# KiCad board NCU.kicad_pcb
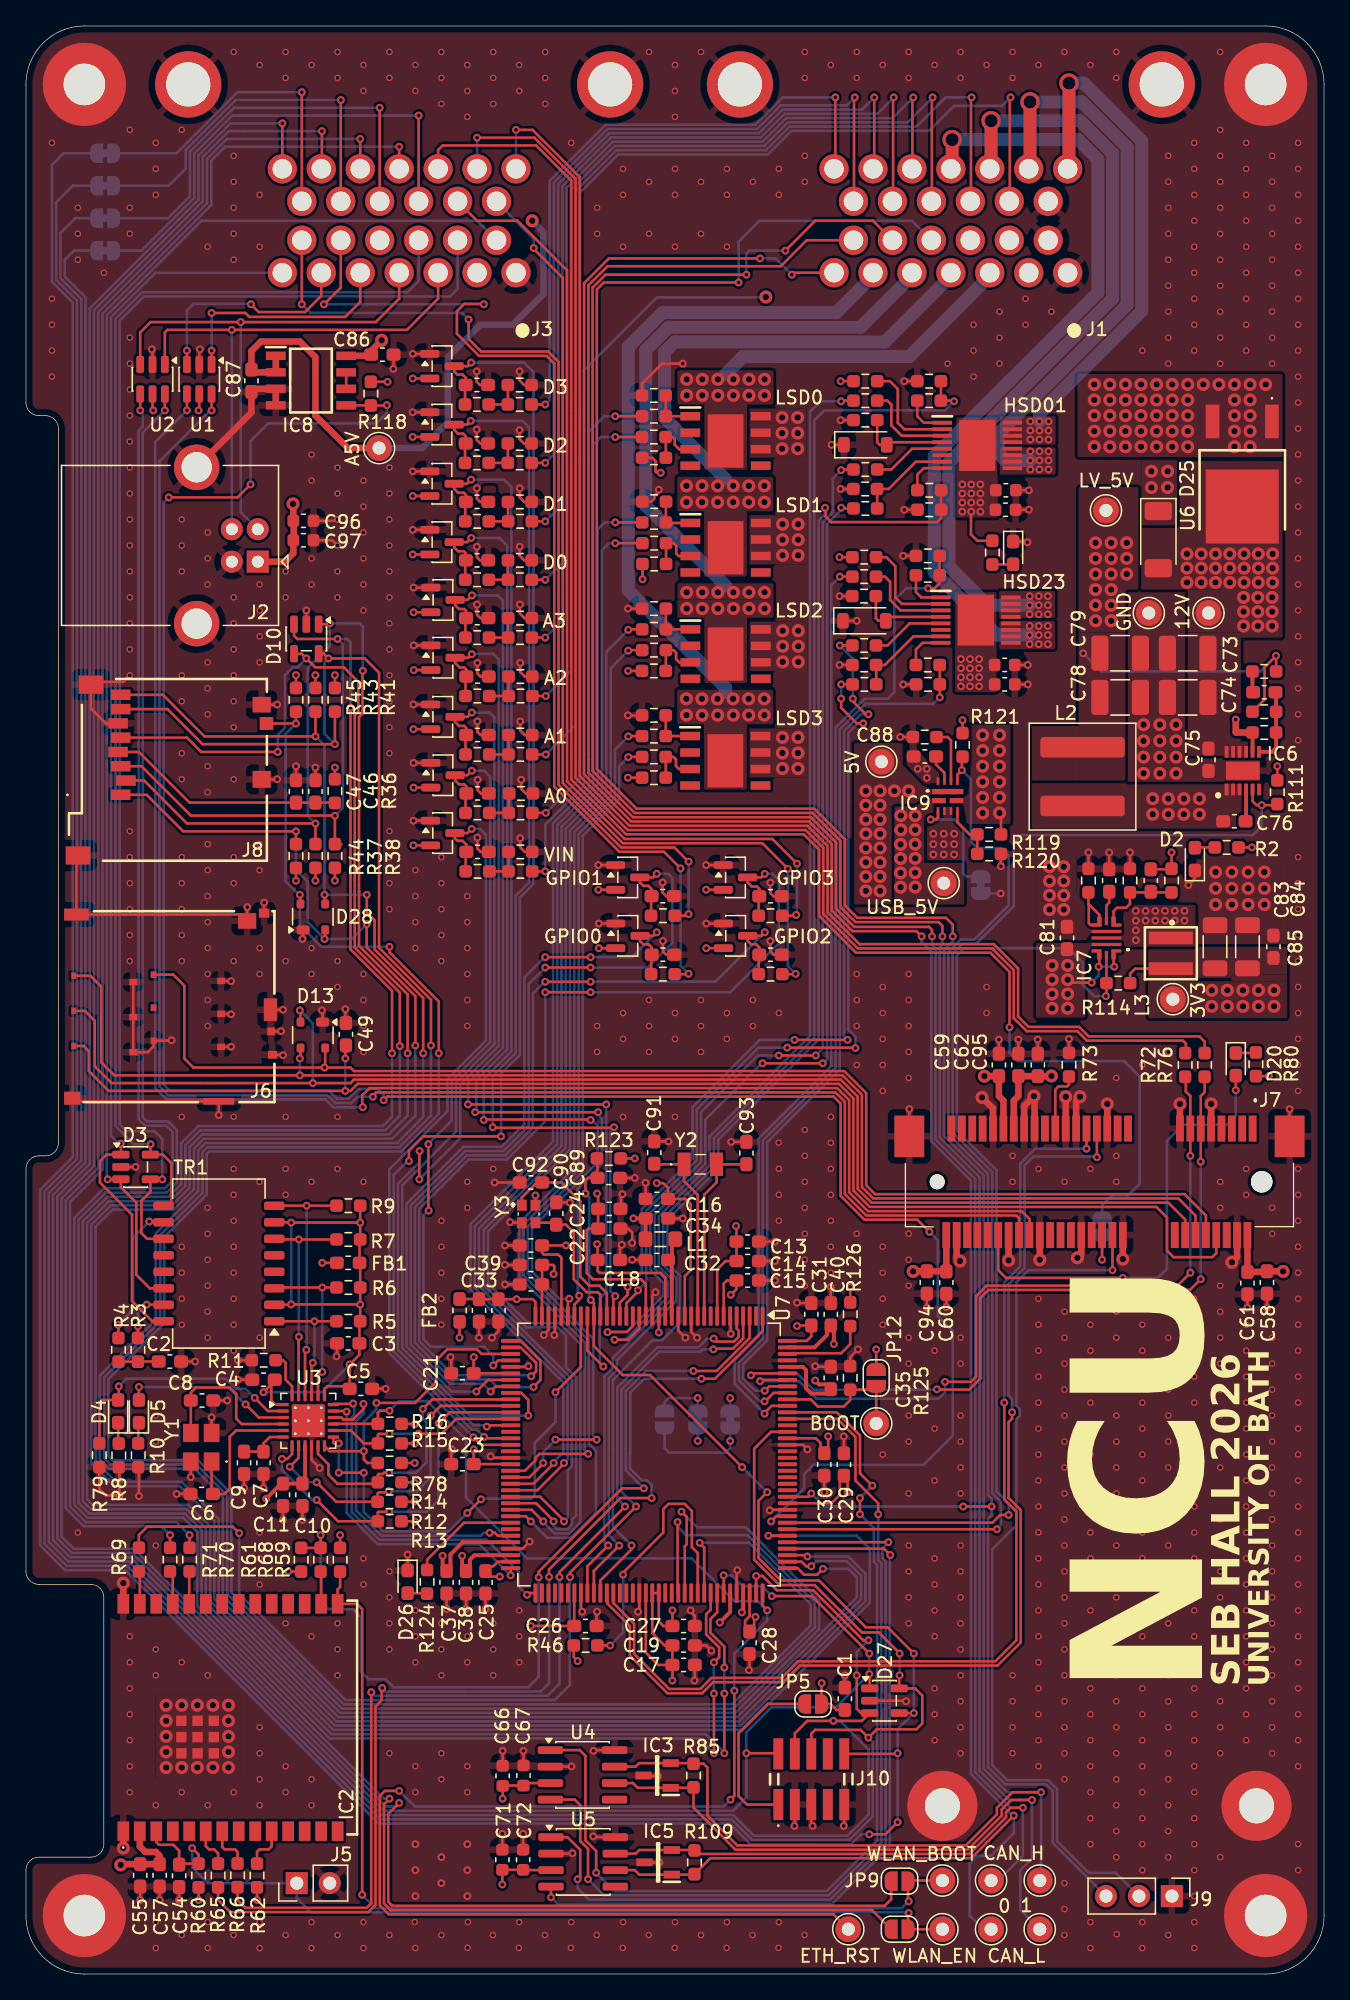
[diagram p0: board, top side]
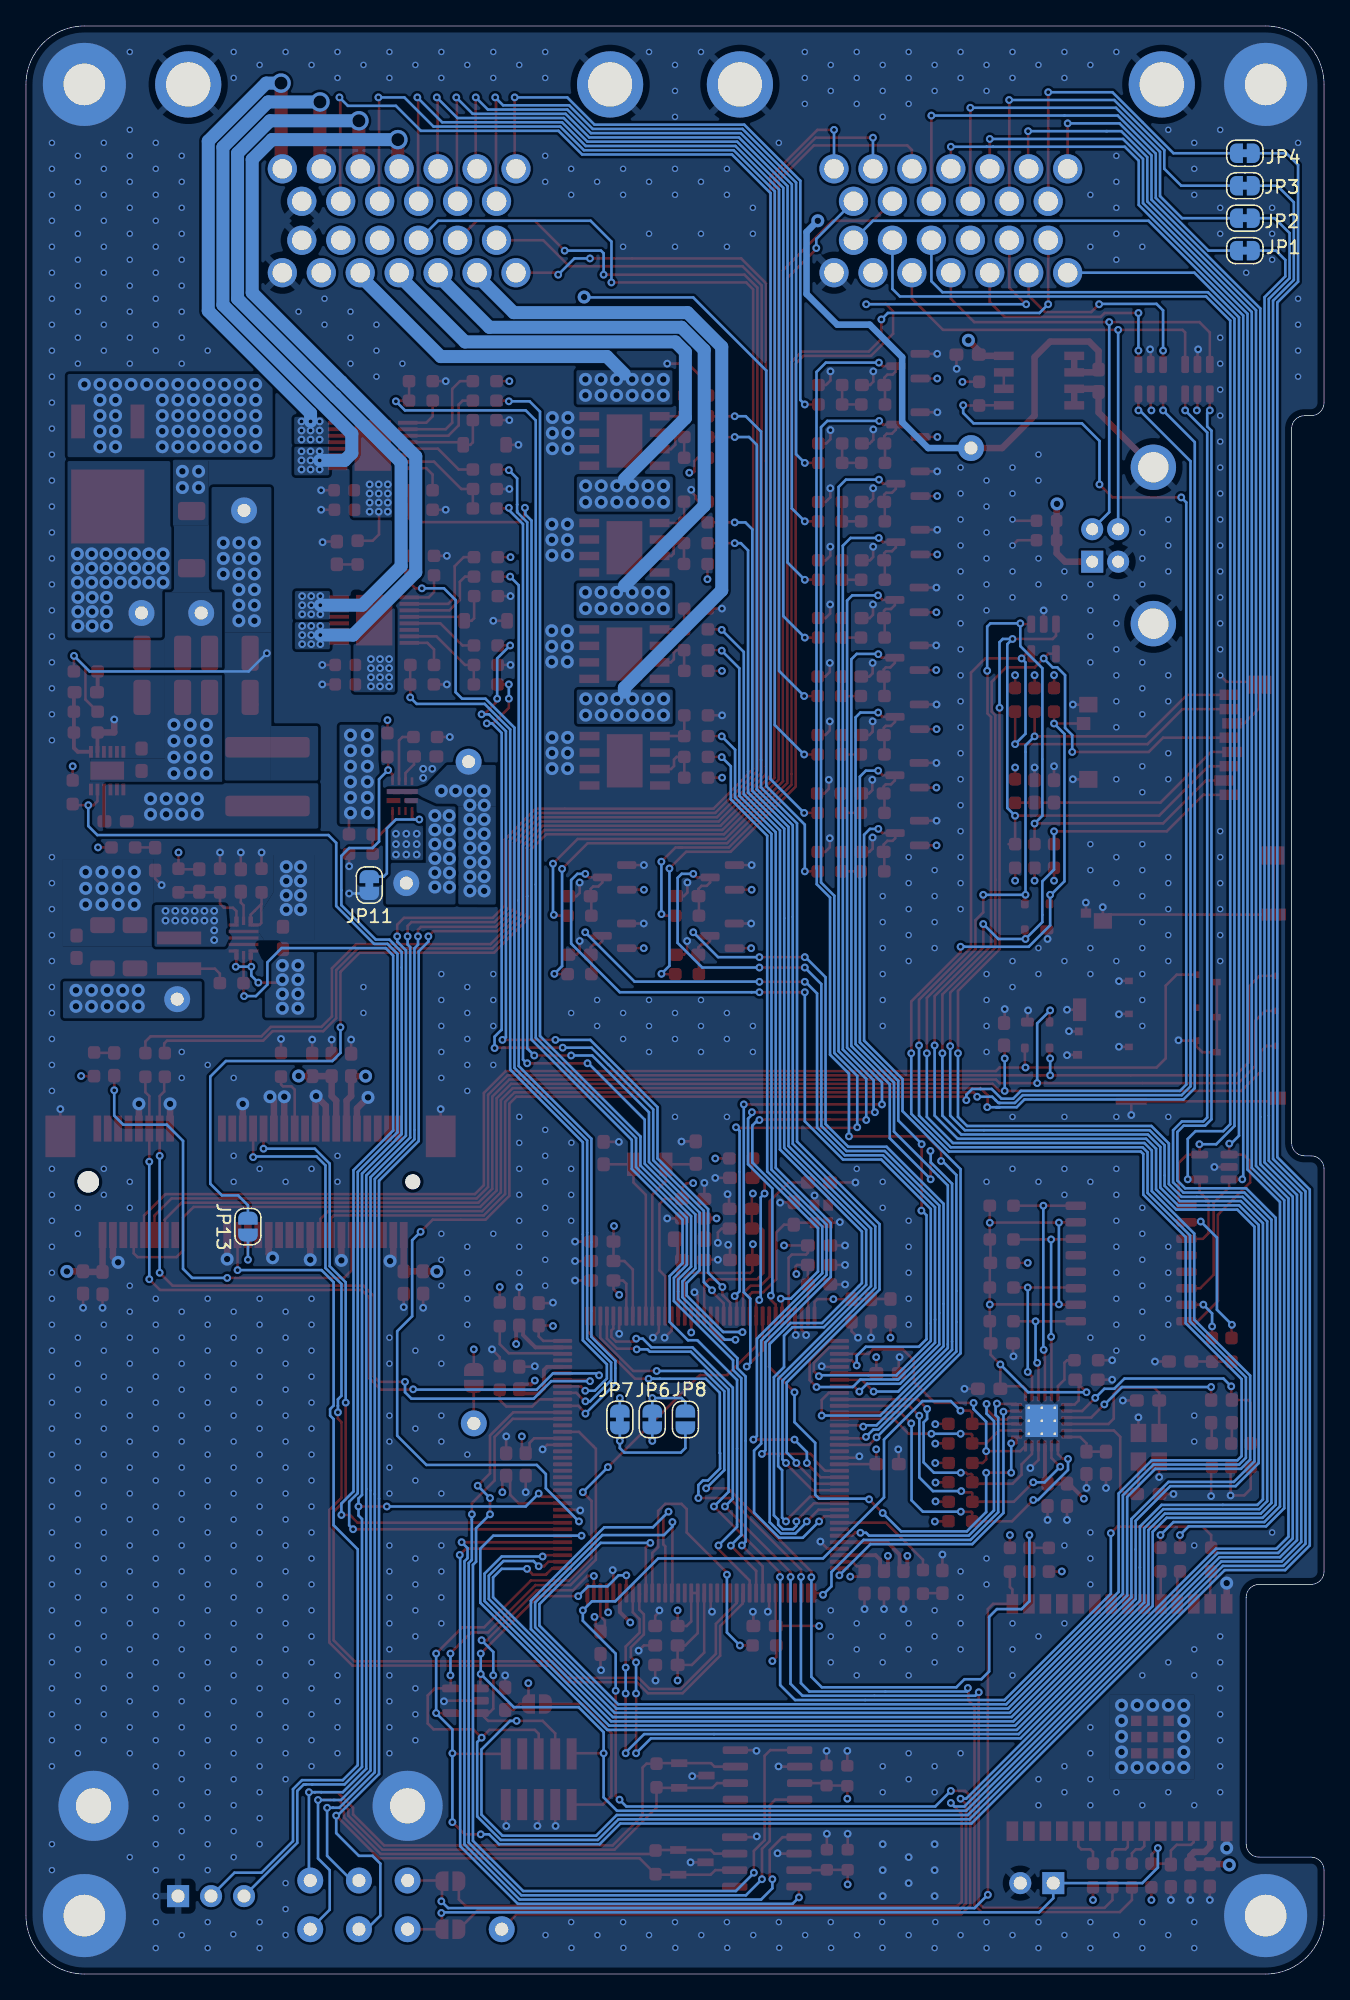
[diagram p1: board, bottom side, seen from below]

Outline 100 x 150 mm; copper layers: Top, In1.Cu, In2.Cu, Bottom. Coordinates in mm from the lower left corner of the outline.
Outline path: 0,121 0,145.5 arc(1.32,148.68) 4.5,150 95.5,150 arc(98.68,148.68) 100,145.5 100,4.5 arc(98.68,1.32) 95.5,0 4.5,0 arc(1.32,1.32) 0,4.5 0,8 arc(0.29,8.71) 1,9 5,9 arc(5.71,9.29) 6,10 6,29 arc(5.71,29.71) 5,30 1,30 arc(0.29,30.29) 0,31 0,62 arc(0.29,62.71) 1,63 1.49,63 ; 0,120.99 arc(0.29,120.29) 1,119.99 1.5,119.99 arc(2.2,119.7) 2.5,119 2.5,64 arc(2.21,63.29) 1.5,63
Stack: Top 0.035mm / dielectric 0.1mm FR4 er 4.5 / In1.Cu 0.035mm / dielectric 1.24mm FR4 er 4.5 / In2.Cu 0.035mm / dielectric 0.1mm FR4 er 4.5 / Bottom 0.035mm

## Placement (name value [footprint] x y rotation side)
C1  100nF  [C_0603_1608Metric_Pad1.08x0.95mm_HandSolder]  63.08 21.19 90 top
C2  1nF  [C_0603_1608Metric_Pad1.08x0.95mm_HandSolder]  11.09 47.16 0 top
C3  100nF  [C_0603_1608Metric_Pad1.08x0.95mm_HandSolder]  24.83 48.56 180 top
C4  100nF  [C_0603_1608Metric_Pad1.08x0.95mm_HandSolder]  18.3 45.76 180 top
C5  100nF  [C_0603_1608Metric_Pad1.08x0.95mm_HandSolder]  25.8 45.06 0 top
C6  8pF  [C_0603_1608Metric_Pad1.08x0.95mm_HandSolder]  13.54 36.96 180 top
C7  470pF  [C_0603_1608Metric_Pad1.08x0.95mm_HandSolder]  18.3 39.36 270 top
C8  8pF  [C_0603_1608Metric_Pad1.08x0.95mm_HandSolder]  13.56 44.16 0 top
C9  1uF  [C_0603_1608Metric_Pad1.08x0.95mm_HandSolder]  16.8 39.36 270 top
C10  100nF  [C_0603_1608Metric_Pad1.08x0.95mm_HandSolder]  21.3 36.9 270 top
C11  1u  [C_0603_1608Metric_Pad1.08x0.95mm_HandSolder]  19.8 36.9 270 top
C12  100nF  [C_0603_1608Metric_Pad1.08x0.95mm_HandSolder]  34.78 95.41 0 top
C13  4.7uF  [C_0603_1608Metric_Pad1.08x0.95mm_HandSolder]  55.6 56.4 0 top
C14  100nF  [C_0603_1608Metric_Pad1.08x0.95mm_HandSolder]  55.6 54.9 0 top
C15  100nF  [C_0603_1608Metric_Pad1.08x0.95mm_HandSolder]  55.6 53.4 0 top
C16  100nF  [C_0603_1608Metric_Pad1.08x0.95mm_HandSolder]  48.6 59.68 180 top
C17  1uF  [C_0603_1608Metric_Pad1.08x0.95mm_HandSolder]  50.66 23.8 0 top
C18  100nF  [C_0603_1608Metric_Pad1.08x0.95mm_HandSolder]  44.9 54.98 0 top
C19  100nF  [C_0603_1608Metric_Pad1.08x0.95mm_HandSolder]  50.66 25.3 0 top
C20  100nF  [C_0603_1608Metric_Pad1.08x0.95mm_HandSolder]  38.9 56.1 180 top
C21  100nF  [C_0603_1608Metric_Pad1.08x0.95mm_HandSolder]  33.62 46.26 180 top
C22  10uF  [C_0603_1608Metric_Pad1.08x0.95mm_HandSolder]  44.94 57.4 0 top
C23  100nF  [C_0603_1608Metric_Pad1.08x0.95mm_HandSolder]  33.62 39.26 180 top
C24  10uF  [C_0603_1608Metric_Pad1.08x0.95mm_HandSolder]  44.94 58.92 0 top
C25  100nF  [C_0603_1608Metric_Pad1.08x0.95mm_HandSolder]  35.4 30.16 270 top
C26  100nF  [C_0603_1608Metric_Pad1.08x0.95mm_HandSolder]  43.1 26.8 0 top
C27  100nF  [C_0603_1608Metric_Pad1.08x0.95mm_HandSolder]  50.66 26.8 0 top
C28  100nF  [C_0603_1608Metric_Pad1.08x0.95mm_HandSolder]  55.74 25.5 270 top
C29  100nF  [C_0603_1608Metric_Pad1.08x0.95mm_HandSolder]  63.01 39.23 90 top
C30  100nF  [C_0603_1608Metric_Pad1.08x0.95mm_HandSolder]  61.5 39.24 270 top
C31  100nF  [C_0603_1608Metric_Pad1.08x0.95mm_HandSolder]  60.5 50.8 90 top
C32  220pF  [C_0603_1608Metric_Pad1.08x0.95mm_HandSolder]  48.6 54.98 180 top
C33  1uF  [C_0603_1608Metric_Pad1.08x0.95mm_HandSolder]  34.9 51.1 270 top
C34  10uF  [C_0603_1608Metric_Pad1.08x0.95mm_HandSolder]  48.61 58.18 0 top
C35  2.2uF  [C_0603_1608Metric_Pad1.08x0.95mm_HandSolder]  62 45.9 90 top
C36  100nF  [C_0603_1608Metric_Pad1.08x0.95mm_HandSolder]  36.4 51.1 270 top
C37  2.2uF  [C_0603_1608Metric_Pad1.08x0.95mm_HandSolder]  32.4 30.16 270 top
C38  100nF  [C_0603_1608Metric_Pad1.08x0.95mm_HandSolder]  33.9 30.16 270 top
C39  1uF  [C_0603_1608Metric_Pad1.08x0.95mm_HandSolder]  38.9 54.6 180 top
C40  100nF  [C_0603_1608Metric_Pad1.08x0.95mm_HandSolder]  62 50.8 90 top
C41  100nF  [C_0603_1608Metric_Pad1.08x0.95mm_HandSolder]  38.9 53.1 180 top
C42  10u  [C_0603_1608Metric]  75.4 99.3 0 top
C43  100n  [C_0603_1608Metric]  75.4 100.8 0 top
C44  100nF  [C_0603_1608Metric_Pad1.08x0.95mm_HandSolder]  49.06 83 0 top
C45  100nF  [C_0603_1608Metric_Pad1.08x0.95mm_HandSolder]  57.36 78.49 0 top
C46  10uF  [C_0603_1608Metric_Pad1.08x0.95mm_HandSolder]  22.3 91.06 90 top
C47  100nF  [C_0603_1608Metric_Pad1.08x0.95mm_HandSolder]  20.8 91.06 90 top
C48  100nF  [C_0603_1608Metric_Pad1.08x0.95mm_HandSolder]  34.79 99.91 0 top
C49  100n  [C_0603_1608Metric_Pad1.08x0.95mm_HandSolder]  24.65 72.36 90 top
C50  100nF  [C_0603_1608Metric_Pad1.08x0.95mm_HandSolder]  34.79 90.91 0 top
C51  100nF  [C_0603_1608Metric_Pad1.08x0.95mm_HandSolder]  34.76 104.41 0 top
C52  100nF  [C_0603_1608Metric_Pad1.08x0.95mm_HandSolder]  34.75 113.36 0 top
C53  100nF  [C_0603_1608Metric_Pad1.08x0.95mm_HandSolder]  34.74 117.86 0 top
C54  1u  [C_0603_1608Metric_Pad1.08x0.95mm_HandSolder]  11.8 7.56 270 top
C55  47uF  [C_0603_1608Metric_Pad1.08x0.95mm_HandSolder]  8.8 7.6 270 top
C56  100nF  [C_0603_1608Metric_Pad1.08x0.95mm_HandSolder]  34.75 108.86 0 top
C57  100n  [C_0603_1608Metric_Pad1.08x0.95mm_HandSolder]  10.3 7.6 270 top
C58  47uF  [C_0603_1608Metric_Pad1.08x0.95mm_HandSolder]  95.6 53.25 270 top
C59  100nF  [C_0603_1608Metric_Pad1.08x0.95mm_HandSolder]  74.95 70 90 top
C60  100nF  [C_0603_1608Metric_Pad1.08x0.95mm_HandSolder]  70.9 53.24 270 top
C61  100nF  [C_0603_1608Metric_Pad1.08x0.95mm_HandSolder]  94.1 53.2 270 top
C62  100nF  [C_0603_1608Metric_Pad1.08x0.95mm_HandSolder]  76.45 70 90 top
C63  100nF  [C_0603_1608Metric_Pad1.08x0.95mm_HandSolder]  34.74 122.36 0 top
C64  100nF  [C_0603_1608Metric_Pad1.08x0.95mm_HandSolder]  34.79 86.41 0 top
C65  100nF  [C_0603_1608Metric_Pad1.08x0.95mm_HandSolder]  57.36 82.99 0 top
C66  1u  [C_0603_1608Metric]  36.72 15.26 90 top
C67  100n  [C_0603_1608Metric]  38.33 15.28 90 top
C68  10u  [C_0603_1608Metric]  75.46 112.75 0 top
C69  100n  [C_0603_1608Metric]  75.49 114.25 0 top
C70  100nF  [C_0603_1608Metric_Pad1.08x0.95mm_HandSolder]  49.07 78.49 0 top
C71  1u  [C_0603_1608Metric]  36.7 8.8 90 top
C72  100n  [C_0603_1608Metric]  38.3 8.8 90 top
C73  4.7uF  [C_1210_3225Metric_Pad1.33x2.70mm_HandSolder]  89.49 101.7 180 top
C74  4.7uF  [C_1210_3225Metric_Pad1.33x2.70mm_HandSolder]  89.49 98.3 180 top
C75  0.1uF  [C_0603_1608Metric_Pad1.08x0.95mm_HandSolder]  91.09 93.5 270 top
C76  0.1uF  [C_0603_1608Metric_Pad1.08x0.95mm_HandSolder]  93.09 88.76 0 top
C77  33pF  [C_0603_1608Metric_Pad1.08x0.95mm_HandSolder]  95.39 98.7 0 top
C78  47uF  [C_1210_3225Metric_Pad1.33x2.70mm_HandSolder]  84.29 98.3 0 top
C79  47uF  [C_1210_3225Metric_Pad1.33x2.70mm_HandSolder]  84.29 101.7 0 top
C80  4.7nF  [C_0603_1608Metric_Pad1.08x0.95mm_HandSolder]  83.45 84.2 90 top
C81  22uF  [C_0603_1608Metric_Pad1.08x0.95mm_HandSolder]  80.2 79.78 90 top
C82  10pF  [C_0603_1608Metric_Pad1.08x0.95mm_HandSolder]  86.65 84.2 270 top
C83  22uF  [L_1206_3216Metric_Pad1.22x1.90mm_HandSolder]  91.6 79.1 90 top
C84  22uF  [L_1206_3216Metric_Pad1.22x1.90mm_HandSolder]  94.1 79.1 90 top
C85  10uF  [C_0603_1608Metric_Pad1.08x0.95mm_HandSolder]  96.1 79.1 90 top
C86  1uF  [C_0603_1608Metric_Pad1.08x0.95mm_HandSolder]  27.46 124.69 0 top
C87  1uF  [C_0603_1608Metric_Pad1.08x0.95mm_HandSolder]  17.37 122.68 270 top
C88  1u  [C_0603_1608Metric_Pad1.08x0.95mm_HandSolder]  69.25 93.75 180 top
C89  100nF  [C_0603_1608Metric_Pad1.08x0.95mm_HandSolder]  44.9 61.3 0 top
C90  8.2pF  [C_0603_1608Metric_Pad1.08x0.95mm_HandSolder]  40.85 58.56 90 top
C91  5.1pF  [C_0603_1608Metric_Pad1.08x0.95mm_HandSolder]  48.4 63.25 90 top
C92  8.2pF  [C_0603_1608Metric_Pad1.08x0.95mm_HandSolder]  38.9 60.95 180 top
C93  5.1pF  [C_0603_1608Metric_Pad1.08x0.95mm_HandSolder]  55.5 63.21 90 top
C94  47uF  [C_0603_1608Metric_Pad1.08x0.95mm_HandSolder]  69.4 53.25 270 top
C95  47uF  [C_0603_1608Metric_Pad1.08x0.95mm_HandSolder]  77.95 70 90 top
C96  1u  [C_0603_1608Metric]  21.38 111.9 0 top
C97  100n  [C_0603_1608Metric]  21.38 110.4 0 top
D1  LED  [LED_0603_1608Metric_Pad1.05x0.95mm_HandSolder]  76.05 109.42 270 top
D2  LED  [LED_0603_1608Metric_Pad1.05x0.95mm_HandSolder]  90.05 85.85 90 top
D3  ESDA6V1SC5  [SOT-23-5]  8.45 62.14 0 top
D4  LED  [LED_0603_1608Metric_Pad1.05x0.95mm_HandSolder]  7.1 43.32 90 top
D5  LED  [LED_0603_1608Metric_Pad1.05x0.95mm_HandSolder]  8.7 43.32 90 top
D6  BAT54S  [SOT-23]  32.11 96.81 0 top
D7  1N4148W  [D_SOD-123]  64.59 104.2 0 top
D8  BAT54S  [SOT-23]  46.36 84.44 0 top
D9  BAT54S  [SOT-23]  54.67 79.94 0 top
D10  SP0504BAHT  [SOT-23-5]  21.6 102.8 270 top
D11  BAT54S  [SOT-23]  32.12 101.36 0 top
D13  SP0503BAHT  [SOT-143]  22.1 72.3 270 top
D14  BAT54S  [SOT-23]  32.12 92.31 0 top
D15  BAT54S  [SOT-23]  32.12 105.81 0 top
D16  BAT54S  [SOT-23]  32.05 114.76 0 top
D17  BAT54S  [SOT-23]  32.05 119.31 0 top
D18  BAT54S  [SOT-23]  32.05 110.26 0 top
D19  BAT54S  [SOT-23]  32.05 123.81 0 top
D20  LED  [LED_0603_1608Metric_Pad1.05x0.95mm_HandSolder]  93.2 70.05 270 top
D21  BAT54S  [SOT-23]  32.1 87.86 0 top
D22  BAT54S  [SOT-23]  54.66 84.44 0 top
D23  1N4148W  [D_SOD-123]  64.66 117.75 0 top
D24  BAT54S  [SOT-23]  46.37 79.94 0 top
D25  SBR2065D1-13  [SBR2065D113]  93.7 115.39 180 top
D26  LED  [LED_0603_1608Metric_Pad1.05x0.95mm_HandSolder]  29.4 30.2 270 top
D27  SP0504BAHT  [SOT-23-5]  66.14 21.04 0 top
D28  SP0503BAHT  [SOT-143]  22.1 81.4 90 top
FB1  FCM 1608KF-471T03  [L_0603_1608Metric_Pad1.05x0.95mm_HandSolder]  24.83 54.76 180 top
FB2  FCM 1608KF-471T03  [L_0603_1608Metric_Pad1.05x0.95mm_HandSolder]  33.4 51.1 90 top
H1  MountingHole  [MountingHole_3.2mm_M3_Pad]  95.5 145.5 0 top
H2  MountingHole  [MountingHole_3.2mm_M3_Pad]  4.5 145.5 0 top
H3  MountingHole  [MountingHole_3.2mm_M3_Pad]  95.5 4.5 0 top
H4  MountingHole  [MountingHole_3.2mm_M3_Pad]  4.5 4.5 0 top
H5  MountingHole_Pad  [MountingHole_2.7mm_M2.5_Pad]  94.8 12.95 270 top
H6  MountingHole_Pad  [MountingHole_2.7mm_M2.5_Pad]  70.6 12.95 270 top
IC1  VND7E025AJTR  [SOP50P600X170-17N]  73.17 104.25 0 top
IC2  ESP32-C6-WROOM-1-N8  [ESP32C6WROOM1N8]  12.76 19.75 90 top
IC3  ESD2CAN24DBZRQ1  [SOT95P237X112-3N]  48.62 15.28 180 top
IC4  VND7E025AJTR  [SOP50P600X170-17N]  73.29 117.7 0 top
IC5  ESD2CAN24DBZRQ1  [SOT95P237X112-3N]  48.7 8.6 180 top
IC6  LMR51460SQDRRRQ1  [SON50P300X300X80-13N-D]  93.74 92.66 90 top
IC7  TPS628101HQWRWYRQ1  [TPS6281008QWRWYRQ1]  83.24 79.78 180 top
IC8  LP2951-50DRG4  [SOIC127P600X175-8N]  21.96 122.69 0 top
IC9  -  [TPS2121RUXT]  71.01 90.7 0 top
J1  6437288-4  [64372884]  80.25 131 180 top
J2  USB_B  [USB_B_OST_USB-B1HSxx_Horizontal]  17.86 108.75 180 top
J3  6437288-4  [64372884]  37.75 131 180 top
J5  Conn_01x02  [PinHeader_1x02_P2.54mm_Vertical]  20.86 7 90 top
J6  -  [SF56K006VBAR2000]  11.04 74.49 270 top
J7  2041262-1  [20412621]  94.5 65.1 180 top
J8  MEM2052-00-195-00-A  [MEM20520019500A]  10.94 92.7 270 top
J9  Conn_01x03  [PinHeader_1x03_P2.54mm_Vertical]  88.28 6 270 top
J10  20021121-00010C4LF  [2002112100010C4LF]  60.5 15 0 top
JP1  SolderJumper_2_Bridged  [SolderJumper-2_P1.3mm_Bridged_RoundedPad1.0x1.5mm]  6.1 132.7 180 bottom
JP2  SolderJumper_2_Bridged  [SolderJumper-2_P1.3mm_Bridged_RoundedPad1.0x1.5mm]  6.1 135.2 180 bottom
JP3  SolderJumper_2_Bridged  [SolderJumper-2_P1.3mm_Bridged_RoundedPad1.0x1.5mm]  6.1 137.7 180 bottom
JP4  SolderJumper_2_Bridged  [SolderJumper-2_P1.3mm_Bridged_RoundedPad1.0x1.5mm]  6.1 140.2 180 bottom
JP5  SolderJumper_2_Open  [SolderJumper-2_P1.3mm_Open_RoundedPad1.0x1.5mm]  60.64 20.79 0 top
JP6  SolderJumper_2_Bridged  [SolderJumper-2_P1.3mm_Bridged_RoundedPad1.0x1.5mm]  51.75 42.7 270 bottom
JP7  SolderJumper_2_Bridged  [SolderJumper-2_P1.3mm_Bridged_RoundedPad1.0x1.5mm]  54.25 42.7 90 bottom
JP8  SolderJumper_2_Open  [SolderJumper-2_P1.3mm_Open_RoundedPad1.0x1.5mm]  49.2 42.7 90 bottom
JP9  SolderJumper_2_Open  [SolderJumper-2_P1.3mm_Open_RoundedPad1.0x1.5mm]  67.3 7.15 0 top
JP10  SolderJumper_2_Open  [SolderJumper-2_P1.3mm_Open_RoundedPad1.0x1.5mm]  67.3 3.45 0 top
JP11  SolderJumper_2_Bridged  [SolderJumper-2_P1.3mm_Bridged_RoundedPad1.0x1.5mm]  73.55 83.85 270 bottom
JP12  SolderJumper_2_Open  [SolderJumper-2_P1.3mm_Open_RoundedPad1.0x1.5mm]  65.5 45.9 90 top
JP13  SolderJumper_2_Open  [SolderJumper-2_P1.3mm_Open_RoundedPad1.0x1.5mm]  82.9 57.55 90 bottom
L1  2.2uH  [L_0805_2012Metric_Pad1.05x1.20mm_HandSolder]  48.88 56.58 180 top
L2  4.7uH  [L_Coilcraft_XAL7030-472]  81.39 92.2 90 top
L3  0.47uH  [XFL4012]  88.2 78.6 270 top
NT2  NetTie_2  [NetTie-2_SMD_Pad0.5mm]  93.2 96.1 270 top
R1  2k  [R_0603_1608Metric_Pad0.98x0.95mm_HandSolder]  74.45 109.45 270 top
R2  260R  [R_0603_1608Metric_Pad0.98x0.95mm_HandSolder]  92.5 86.75 180 top
R3  75R  [R_0603_1608Metric_Pad0.98x0.95mm_HandSolder]  8.62 48.06 270 top
R4  75R  [R_0603_1608Metric_Pad0.98x0.95mm_HandSolder]  7.12 48.06 270 top
R5  49.9R  [R_0603_1608Metric_Pad0.98x0.95mm_HandSolder]  24.84 50.26 180 top
R6  49.9R  [R_0603_1608Metric_Pad0.98x0.95mm_HandSolder]  24.84 52.86 180 top
R7  49.9R  [R_0603_1608Metric_Pad0.98x0.95mm_HandSolder]  24.84 56.56 180 top
R8  270R  [R_0603_1608Metric_Pad0.98x0.95mm_HandSolder]  7.15 39.94 90 top
R9  49.9R  [R_0603_1608Metric_Pad0.98x0.95mm_HandSolder]  24.84 59.16 180 top
R10  270R  [R_0603_1608Metric_Pad0.98x0.95mm_HandSolder]  8.65 39.95 270 top
R11  12.1k  [R_0603_1608Metric_Pad0.98x0.95mm_HandSolder]  18.31 47.26 0 top
R12  10k  [R_0603_1608Metric_Pad0.98x0.95mm_HandSolder]  28.01 36.36 180 top
R13  10k  [R_0603_1608Metric_Pad0.98x0.95mm_HandSolder]  28.02 34.86 180 top
R14  10k  [R_0603_1608Metric_Pad0.98x0.95mm_HandSolder]  28.02 37.86 180 top
R15  10k  [R_0603_1608Metric_Pad0.98x0.95mm_HandSolder]  28.03 40.86 180 top
R16  10k  [R_0603_1608Metric_Pad0.98x0.95mm_HandSolder]  28.03 42.36 180 top
R17  1k  [R_0603_1608Metric_Pad0.98x0.95mm_HandSolder]  38.09 93.91 180 top
R18  1.5k  [R_0603_1608Metric_Pad0.98x0.95mm_HandSolder]  38.09 95.41 0 top
R19  100  [R_0603_1608Metric_Pad0.98x0.95mm_HandSolder]  34.78 93.91 180 top
R20  2.2k  [R_0603_1608Metric_Pad0.98x0.95mm_HandSolder]  48.38 111.77 180 top
R21  2.2k  [R_0603_1608Metric_Pad0.98x0.95mm_HandSolder]  48.4 110.17 180 top
R22  100k  [R_0603_1608Metric_Pad0.98x0.95mm_HandSolder]  48.4 113.37 180 top
R23  100k  [R_0603_1608Metric_Pad0.98x0.95mm_HandSolder]  48.4 108.57 0 top
R24  100k  [R_0603_1608Metric_Pad0.98x0.95mm_HandSolder]  69.47 109.2 180 top
R25  100k  [R_0603_1608Metric_Pad0.98x0.95mm_HandSolder]  69.49 99.3 180 top
R26  15k  [R_0603_1608Metric_Pad0.98x0.95mm_HandSolder]  69.47 107.7 180 top
R27  15k  [R_0603_1608Metric_Pad0.98x0.95mm_HandSolder]  64.58 107.6 0 top
R28  15k  [R_0603_1608Metric_Pad0.98x0.95mm_HandSolder]  64.58 102.3 0 top
R29  15k  [R_0603_1608Metric_Pad0.98x0.95mm_HandSolder]  64.59 99.3 0 top
R30  15k  [R_0603_1608Metric_Pad0.98x0.95mm_HandSolder]  69.47 100.8 180 top
R31  620R  [R_0603_1608Metric_Pad0.98x0.95mm_HandSolder]  64.58 100.8 0 top
R32  4.7k  [R_0603_1608Metric_Pad0.98x0.95mm_HandSolder]  64.56 106.1 180 top
R33  15k  [R_0603_1608Metric_Pad0.98x0.95mm_HandSolder]  64.58 109.1 0 top
R34  100  [R_0603_1608Metric_Pad0.98x0.95mm_HandSolder]  49.07 81.49 180 top
R35  100  [R_0603_1608Metric_Pad0.98x0.95mm_HandSolder]  57.36 76.99 180 top
R36  10R  [R_0603_1608Metric_Pad0.98x0.95mm_HandSolder]  23.8 91.09 90 top
R37  10k  [R_0603_1608Metric_Pad0.98x0.95mm_HandSolder]  22.3 86.09 90 top
R38  10k  [R_0603_1608Metric_Pad0.98x0.95mm_HandSolder]  23.8 86.09 90 top
R39  1k  [R_0603_1608Metric_Pad0.98x0.95mm_HandSolder]  38.1 98.41 180 top
R40  1.5k  [R_0603_1608Metric_Pad0.98x0.95mm_HandSolder]  38.09 99.91 0 top
R41  10k  [R_0603_1608Metric_Pad0.98x0.95mm_HandSolder]  23.8 98.11 270 top
R42  100  [R_0603_1608Metric_Pad0.98x0.95mm_HandSolder]  34.78 98.41 180 top
R43  10k  [R_0603_1608Metric_Pad0.98x0.95mm_HandSolder]  22.3 98.11 270 top
R44  10k  [R_0603_1608Metric_Pad0.98x0.95mm_HandSolder]  20.8 86.09 90 top
R45  10k  [R_0603_1608Metric_Pad0.98x0.95mm_HandSolder]  20.8 98.11 270 top
R46  10k  [R_0603_1608Metric_Pad0.98x0.95mm_HandSolder]  43.11 25.3 180 top
R47  1k  [R_0603_1608Metric_Pad0.98x0.95mm_HandSolder]  38.1 89.41 180 top
R48  1.5k  [R_0603_1608Metric_Pad0.98x0.95mm_HandSolder]  38.14 90.91 0 top
R49  100  [R_0603_1608Metric_Pad0.98x0.95mm_HandSolder]  34.78 89.41 180 top
R50  1k  [R_0603_1608Metric_Pad0.98x0.95mm_HandSolder]  38.06 102.91 180 top
R51  1.5k  [R_0603_1608Metric_Pad0.98x0.95mm_HandSolder]  38.06 104.41 0 top
R52  100  [R_0603_1608Metric_Pad0.98x0.95mm_HandSolder]  34.76 102.91 180 top
R53  8.2k  [R_0603_1608Metric_Pad0.98x0.95mm_HandSolder]  38.06 111.86 180 top
R54  1k  [R_0603_1608Metric_Pad0.98x0.95mm_HandSolder]  38.05 113.36 0 top
R55  100  [R_0603_1608Metric_Pad0.98x0.95mm_HandSolder]  34.75 111.86 180 top
R56  8.2k  [R_0603_1608Metric_Pad0.98x0.95mm_HandSolder]  38.04 116.36 180 top
R57  1k  [R_0603_1608Metric_Pad0.98x0.95mm_HandSolder]  38.04 117.86 0 top
R58  100  [R_0603_1608Metric_Pad0.98x0.95mm_HandSolder]  34.74 116.36 180 top
R59  10k  [R_0603_1608Metric_Pad0.98x0.95mm_HandSolder]  24.2 31.9 270 top
R60  10k  [R_0603_1608Metric_Pad0.98x0.95mm_HandSolder]  13.3 7.59 90 top
R61  10k  [R_0603_1608Metric_Pad0.98x0.95mm_HandSolder]  21.2 31.9 90 top
R62  10k  [R_0603_1608Metric_Pad0.98x0.95mm_HandSolder]  17.8 7.59 90 top
R63  8.2k  [R_0603_1608Metric_Pad0.98x0.95mm_HandSolder]  38.05 107.36 180 top
R64  1k  [R_0603_1608Metric_Pad0.98x0.95mm_HandSolder]  38.05 108.86 0 top
R65  22R  [R_0603_1608Metric_Pad0.98x0.95mm_HandSolder]  14.8 7.59 90 top
R66  22R  [R_0603_1608Metric_Pad0.98x0.95mm_HandSolder]  16.3 7.6 90 top
R67  100  [R_0603_1608Metric_Pad0.98x0.95mm_HandSolder]  34.75 107.36 180 top
R68  22R  [R_0603_1608Metric_Pad0.98x0.95mm_HandSolder]  22.7 31.9 270 top
R69  22R  [R_0603_1608Metric_Pad0.98x0.95mm_HandSolder]  8.7 31.91 90 top
R70  100R  [R_0603_1608Metric_Pad0.98x0.95mm_HandSolder]  12.6 31.91 90 top
R71  100R  [R_0603_1608Metric_Pad0.98x0.95mm_HandSolder]  11.1 31.91 90 top
R72  100R  [R_0603_1608Metric_Pad0.98x0.95mm_HandSolder]  89.3 70 270 top
R73  10k  [R_0603_1608Metric_Pad0.98x0.95mm_HandSolder]  80.35 70.01 90 top
R74  8.2k  [R_0603_1608Metric_Pad0.98x0.95mm_HandSolder]  38.04 120.86 180 top
R75  1k  [R_0603_1608Metric_Pad0.98x0.95mm_HandSolder]  38.04 122.36 0 top
R76  100R  [R_0603_1608Metric_Pad0.98x0.95mm_HandSolder]  90.8 70 270 top
R77  100  [R_0603_1608Metric_Pad0.98x0.95mm_HandSolder]  34.74 120.86 180 top
R78  1k5  [R_0603_1608Metric_Pad0.98x0.95mm_HandSolder]  28.01 39.35 180 top
R79  10k  [R_0603_1608Metric_Pad0.98x0.95mm_HandSolder]  5.65 39.95 270 top
R80  680R  [R_0603_1608Metric_Pad0.98x0.95mm_HandSolder]  94.75 70.05 90 top
R81  8.2k  [R_0603_1608Metric_Pad0.98x0.95mm_HandSolder]  38.09 84.91 180 top
R82  1k  [R_0603_1608Metric_Pad0.98x0.95mm_HandSolder]  38.09 86.41 0 top
R83  100  [R_0603_1608Metric_Pad0.98x0.95mm_HandSolder]  34.79 84.91 180 top
R84  100  [R_0603_1608Metric_Pad0.98x0.95mm_HandSolder]  57.36 81.49 180 top
R85  120R  [R_0603_1608Metric_Pad0.98x0.95mm_HandSolder]  51.42 15.28 270 top  (not fitted)
R86  2.2k  [R_0603_1608Metric_Pad0.98x0.95mm_HandSolder]  48.38 119.95 180 top
R87  2.2k  [R_0603_1608Metric_Pad0.98x0.95mm_HandSolder]  48.37 118.35 180 top